# Altium PCB MZCAT_color_sensor.PcbDoc
Units mm, origin at the board's own origin, x right, y up, seen from the top; angles counter-clockwise.
Board outline 24 x 80.4 mm, 2 copper layers (Top Layer, Bottom Layer), stack 1.536 mm thick; 39 components, 29 nets, 101 pads, 29 vias.
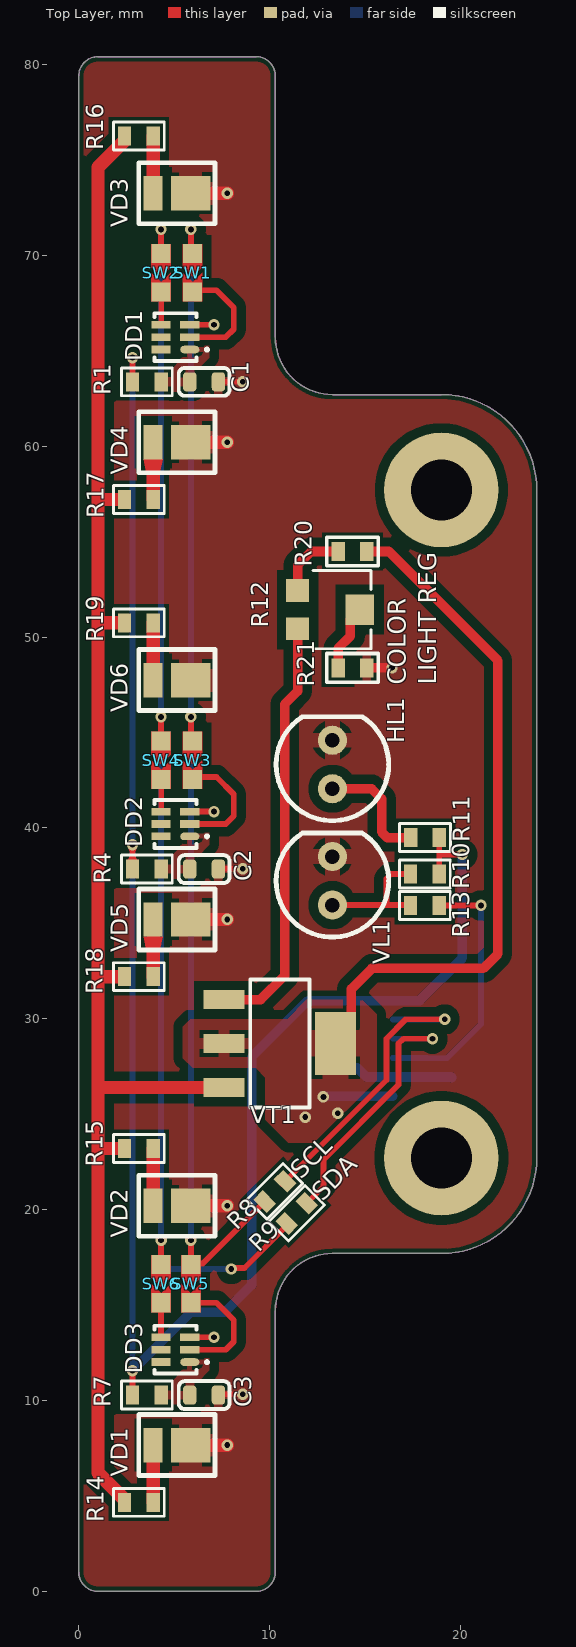
[diagram p0: Top Layer view]
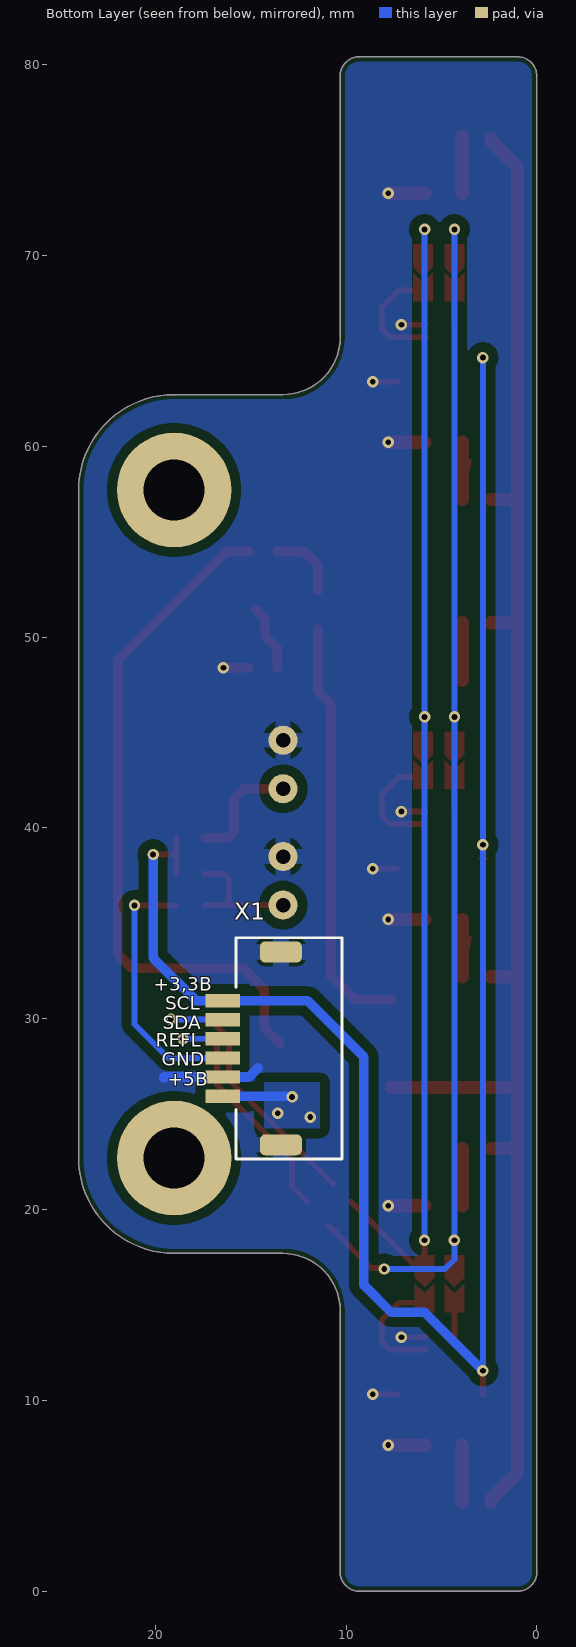
[diagram p1: Bottom Layer view, seen from below]
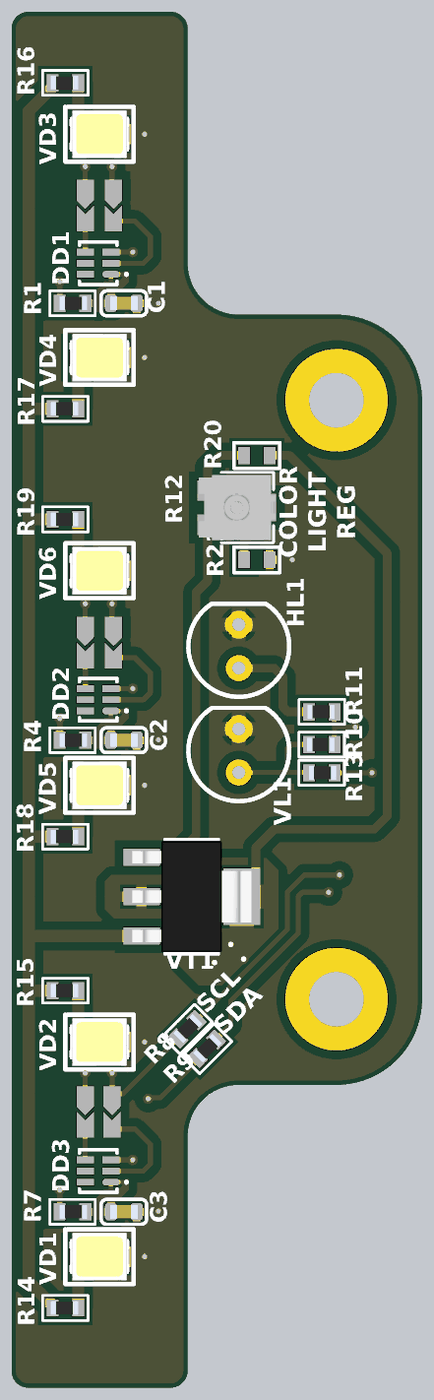
[diagram p2: 3D render of the assembled board from above, using the file's embedded part models]

## Layer stack, top to bottom
Top Solder: solder mask 0.0102, Solder Resist, Dk 3.5
Top Layer: signal copper 0.018
Core 1: core 1.5, FR4, Dk 4.6
Bottom Layer: signal copper 0.018
Bottom Solder: solder mask 0.0102, Solder Resist, Dk 3.5

## Board outline
1.006,0.006 9.305,0.006 ccw(c9.305,1.006) 10.305,1.006 10.305,14.706 cw(c13.305,14.706) 13.305,17.706 19.005,17.706 ccw(c19.005,22.706) 24.005,22.706 24.005,57.706 ccw(c19.005,57.706) 19.005,62.706 13.305,62.706 cw(c13.305,65.706) 10.305,65.706 10.305,79.406 ccw(c9.305,79.406) 9.305,80.406 1.006,80.406 ccw(c1.006,79.406) 0.006,79.406 0.006,1.006 ccw(c1.006,1.006)

## Design rules (kind name [scope] priority, off if disabled: settings)
AcuteAngle min_acute_angle [OnCopper] p1: minimum=3.50000000000000E+0001 checktracksonly=FALSE // Минимальный угол между примитивами топологии
BoardOutlineClearance board_outline_clearance_std [NOT (OnLayer('Bottom Overlay') OR OnLayer('Top Overlay'))] p1: gap=0.25 ignorepadtopadclearanceinfootprint=FALSE except(0: Arc-SplitContinuation Track-SplitContinuation SMDPad-SplitContinuation THPad-SplitContinuation Via-SplitContinuation Fill-SplitContinuation Poly-SplitContinuation Region-SplitContinuation Text-SplitContinuation) // Отступ элементов топологии от края фрезеруемой печатной платы
Clearance Clearance_keepout [OnTopLayer OR OnBottomLayer vs OnLayer('Keep-Out Layer')] p1: gap=0.125 ignorepadtopadclearanceinfootprint=FALSE except(0.2: Arc-Fill Arc-Poly Track-Fill Track-Poly SMDPad-SMDPad SMDPad-Fill SMDPad-Poly THPad-Fill THPad-Poly Via-Fill Via-Poly Fill-Fill Fill-Poly Poly-Poly Poly-Region Poly-Text; 0.25: Arc-Hole Track-Hole SMDPad-Hole THPad-Hole Via-Hole Fill-Hole Poly-Hole Region-Hole Text-Hole; 0.4: Arc-Track Track-Track)
Clearance TOP_BOT_GND [InPolygonClass('POLY')] p2: gap=0.5 ignorepadtopadclearanceinfootprint=FALSE
Clearance REF_GND [InPolygonClass('REF_GND')] p3: gap=0.5 ignorepadtopadclearanceinfootprint=FALSE
Clearance clearance_outer_18um_std [OnTopLayer OR OnBottomLayer] p4: gap=0.125 ignorepadtopadclearanceinfootprint=FALSE except(0.2: Arc-Fill Arc-Poly Track-Fill Track-Poly SMDPad-Fill SMDPad-Poly THPad-Fill THPad-Poly Via-Fill Via-Poly Fill-Fill Fill-Poly Poly-Poly Poly-Region Poly-Text; 0.25: Arc-Hole Track-Hole THPad-Hole Via-Hole Fill-Hole Poly-Hole Region-Hole Text-Hole) // Зазоры на внешних слоях
Clearance clearance_inner_18um_std [NOT (OnTopLayer Or OnBottomLayer)] p5: gap=0.125 ignorepadtopadclearanceinfootprint=FALSE except(0.2: Arc-Fill Arc-Poly Track-Fill Track-Poly SMDPad-SMDPad SMDPad-Fill SMDPad-Poly THPad-Fill THPad-Poly Via-Fill Via-Poly Fill-Fill Fill-Poly Poly-Poly Poly-Region Poly-Text; 0.25: Arc-Hole Track-Hole SMDPad-Hole THPad-Hole Via-Hole Fill-Hole Poly-Hole Region-Hole Text-Hole) // Зазоры на внутренних слоях
ComponentClearance [All] p1: gap=0 collisioncheckmode=3 verticalgap=0 showdistances=FALSE
DiffPairsRouting diff_pairs_routing [All] p1: maxlimit=0.127 minlimit=0.127 mostfreqgap=0.127 toplayer_minwidth=0.143 toplayer_maxwidth=0.143 toplayer_prefwidth=0.143 bottomlayer_minwidth=0.143 bottomlayer_maxwidth=0.143 bottomlayer_prefwidth=0.143 impedanceprofiledriven=TRUE maxuncoupledlength=12.7 // Правила трассировки дифференциальных пар
HoleSize min_hole_size_std [IsPad] p1: absolutevalues=TRUE maxlimit=5.9 minlimit=0.5 maxpercent=80.000 minpercent=20.000 // Диаметр межслойного переходного отверстия
HoleSize min_hole_size_via_std [IsVia] p2: absolutevalues=TRUE maxlimit=5.9 minlimit=0.3 maxpercent=80.000 minpercent=20.000 // Минимальный диаметр монтажного отверстия
HoleToHoleClearance hole_to_hole_clearance_std [All] p1: gap=0.2 allowstackedmicrovias=FALSE // Минимальное расстояние между краями двух отверстий
MinimumAnnularRing min_via_ar_std [All] p1: minimumring=0.15 // Поясок площадки переходного отверстия (Annular ring VIA)
MinimumAnnularRing min_pad_ar_std [All] p2: minimumring=0.2 // Поясок монтажной контактной площадки (Annular ring PAD)
MinimumSolderMaskSliver min_solder_mask_bridge_std [All] p1: minsoldermaskwidth=0 // Мнимальная ширина масочного мостика
PlaneClearance plane_clearance_18um_std [All] p1: clearance=0.2 // Отступ полигона (для слоя plane) от элементов топологии
PlaneConnect [All] p1: planeconnectstyle=Relief reliefexpansion=0.5 reliefentries=4 reliefconductorwidth=0.2 reliefairgap=0.2
PolygonConnect poly_connect_to_pad<=0.3 [(AsMM(PadXSize_AllLayers)<=0.301) or (AsMM(PadYSize_AllLayers)<=0.301)] p1: thpad.connectstyle=Relief thpad.reliefconductorwidth=0.2 thpad.reliefentries=4 thpad.polygonreliefangle="90 Angle" thpad.airgapwidth=0.2 smdpad.connectstyle=Relief smdpad.reliefconductorwidth=0.2 smdpad.reliefentries=4 smdpad.polygonreliefangle="90 Angle" smdpad.airgapwidth=0.2 via.connectstyle=Direct via.reliefconductorwidth=0.254 via.reliefentries=4 via.polygonreliefangle="90 Angle" via.airgapwidth=0.254 // Правила подключения полигонов для падов от 0,3мм и меньше
PolygonConnect poly_connect_to_pad<=0.4 [(AsMM(PadXSize_AllLayers)<=0.401) or (AsMM(PadYSize_AllLayers)<=0.401)] p2: thpad.connectstyle=Relief thpad.reliefconductorwidth=0.26 thpad.reliefentries=4 thpad.polygonreliefangle="90 Angle" thpad.airgapwidth=0.2 smdpad.connectstyle=Relief smdpad.reliefconductorwidth=0.26 smdpad.reliefentries=4 smdpad.polygonreliefangle="90 Angle" smdpad.airgapwidth=0.2 via.connectstyle=Direct via.reliefconductorwidth=0.254 via.reliefentries=4 via.polygonreliefangle="90 Angle" via.airgapwidth=0.254 // Правила подключения полигонов для падов от 0,4 и меньше
PolygonConnect poly_connect_to_pad<=0.6 [(AsMM(PadXSize_AllLayers)<=0.601) or (AsMM(PadYSize_AllLayers)<=0.601)] p3: thpad.connectstyle=Relief thpad.reliefconductorwidth=0.33 thpad.reliefentries=4 thpad.polygonreliefangle="90 Angle" thpad.airgapwidth=0.2 smdpad.connectstyle=Relief smdpad.reliefconductorwidth=0.33 smdpad.reliefentries=4 smdpad.polygonreliefangle="90 Angle" smdpad.airgapwidth=0.2 via.connectstyle=Direct via.reliefconductorwidth=0.254 via.reliefentries=4 via.polygonreliefangle="90 Angle" via.airgapwidth=0.254 // Правила подключения полигонов для падов от 0,6мм и меньше
PolygonConnect poly_connect_to_pad<=0.7 [(AsMM(PadXSize_AllLayers)<=0.701) or (AsMM(PadYSize_AllLayers)<=0.701)] p4: thpad.connectstyle=Relief thpad.reliefconductorwidth=0.46 thpad.reliefentries=4 thpad.polygonreliefangle="90 Angle" thpad.airgapwidth=0.2 smdpad.connectstyle=Relief smdpad.reliefconductorwidth=0.46 smdpad.reliefentries=4 smdpad.polygonreliefangle="90 Angle" smdpad.airgapwidth=0.2 via.connectstyle=Direct via.reliefconductorwidth=0.254 via.reliefentries=4 via.polygonreliefangle="90 Angle" via.airgapwidth=0.254 // Правила подключения полигонов для падов от 0,7мм и меньше
PolygonConnect poly_connect_to_pad<=0.8 [(AsMM(PadXSize_AllLayers)<=0.8)or(AsMM(PadYSize_AllLayers)<=0.8)] p5: thpad.connectstyle=Relief thpad.reliefconductorwidth=0.53 thpad.reliefentries=4 thpad.polygonreliefangle="90 Angle" thpad.airgapwidth=0.3 smdpad.connectstyle=Relief smdpad.reliefconductorwidth=0.53 smdpad.reliefentries=4 smdpad.polygonreliefangle="90 Angle" smdpad.airgapwidth=0.2 via.connectstyle=Direct via.reliefconductorwidth=0.254 via.reliefentries=4 via.polygonreliefangle="90 Angle" via.airgapwidth=0.254 // Правила подключения полигонов для падов от 0,8мм и меньше
PolygonConnect poly_connect_to_pad<=1 [(AsMM(PadXSize_AllLayers)<=1.01)or(AsMM(PadYSize_AllLayers)<=1.01)] p6: thpad.connectstyle=Relief thpad.reliefconductorwidth=0.6 thpad.reliefentries=4 thpad.polygonreliefangle="90 Angle" thpad.airgapwidth=0.3 smdpad.connectstyle=Relief smdpad.reliefconductorwidth=0.6 smdpad.reliefentries=4 smdpad.polygonreliefangle="90 Angle" smdpad.airgapwidth=0.2 via.connectstyle=Direct via.reliefconductorwidth=0.254 via.reliefentries=4 via.polygonreliefangle="90 Angle" via.airgapwidth=0.254 // Правила подключения полигонов для падов от 1мм и меньше
PolygonConnect poly_connect_to_pad<=1.3 [(AsMM(PadXSize_AllLayers)<=1.31)or(AsMM(PadYSize_AllLayers)<=1.31)] p7: thpad.connectstyle=Relief thpad.reliefconductorwidth=0.66 thpad.reliefentries=4 thpad.polygonreliefangle="90 Angle" thpad.airgapwidth=0.3 smdpad.connectstyle=Relief smdpad.reliefconductorwidth=0.86 smdpad.reliefentries=4 smdpad.polygonreliefangle="90 Angle" smdpad.airgapwidth=0.2 via.connectstyle=Direct via.reliefconductorwidth=0.254 via.reliefentries=4 via.polygonreliefangle="90 Angle" via.airgapwidth=0.254 // Правила подключения полигонов для падов от 1,3мм и меньше
PolygonConnect poly_connect_to_pad<=1.6 [(AsMM(PadXSize_AllLayers)<=1.61)or(AsMM(PadYSize_AllLayers)<=1.61)] p8: thpad.connectstyle=Relief thpad.reliefconductorwidth=0.8 thpad.reliefentries=4 thpad.polygonreliefangle="90 Angle" thpad.airgapwidth=0.3 smdpad.connectstyle=Relief smdpad.reliefconductorwidth=1 smdpad.reliefentries=4 smdpad.polygonreliefangle="90 Angle" smdpad.airgapwidth=0.2 via.connectstyle=Direct via.reliefconductorwidth=0.254 via.reliefentries=4 via.polygonreliefangle="90 Angle" via.airgapwidth=0.254 // Правила подключения полигонов для падов от 1,6мм и меньше
PolygonConnect poly_connect_to_pad<=1.8 [(AsMM(PadXSize_AllLayers)<=1.8)or(AsMM(PadYSize_AllLayers)<=1.8)] p9: thpad.connectstyle=Relief thpad.reliefconductorwidth=1 thpad.reliefentries=4 thpad.polygonreliefangle="90 Angle" thpad.airgapwidth=0.3 smdpad.connectstyle=Relief smdpad.reliefconductorwidth=1.2 smdpad.reliefentries=4 smdpad.polygonreliefangle="90 Angle" smdpad.airgapwidth=0.2 via.connectstyle=Direct via.reliefconductorwidth=0.254 via.reliefentries=4 via.polygonreliefangle="90 Angle" via.airgapwidth=0.254 // Правила подключения полигонов для падов от 1,8мм и меньше
PolygonConnect poly_connect_to_pad<=2 [(AsMM(PadXSize_AllLayers)<=2.01)or(AsMM(PadYSize_AllLayers)<=2.01)] p10: thpad.connectstyle=Relief thpad.reliefconductorwidth=1.1 thpad.reliefentries=4 thpad.polygonreliefangle="90 Angle" thpad.airgapwidth=0.3 smdpad.connectstyle=Relief smdpad.reliefconductorwidth=1.4 smdpad.reliefentries=4 smdpad.polygonreliefangle="90 Angle" smdpad.airgapwidth=0.2 via.connectstyle=Direct via.reliefconductorwidth=0.254 via.reliefentries=4 via.polygonreliefangle="90 Angle" via.airgapwidth=0.254 // Правила подключения полигонов для падов от 2мм и меньше
PolygonConnect poly_connect_to_pad<=2.3 [(AsMM(PadXSize_AllLayers)<=2.31)or(AsMM(PadYSize_AllLayers)<=2.31)] p11: thpad.connectstyle=Relief thpad.reliefconductorwidth=1.2 thpad.reliefentries=4 thpad.polygonreliefangle="90 Angle" thpad.airgapwidth=0.3 smdpad.connectstyle=Relief smdpad.reliefconductorwidth=1.4 smdpad.reliefentries=4 smdpad.polygonreliefangle="90 Angle" smdpad.airgapwidth=0.2 via.connectstyle=Direct via.reliefconductorwidth=0.254 via.reliefentries=4 via.polygonreliefangle="90 Angle" via.airgapwidth=0.254 // Правила подключения полигонов для падов от 2,3мм и меньше
PolygonConnect poly_connect_to_pad<=2.5 [(AsMM(PadXSize_AllLayers)<=2.51)or(AsMM(PadYSize_AllLayers)<=2.51)] p12: thpad.connectstyle=Relief thpad.reliefconductorwidth=1.2 thpad.reliefentries=4 thpad.polygonreliefangle="90 Angle" thpad.airgapwidth=0.3 smdpad.connectstyle=Relief smdpad.reliefconductorwidth=1.4 smdpad.reliefentries=4 smdpad.polygonreliefangle="90 Angle" smdpad.airgapwidth=0.2 via.connectstyle=Direct via.reliefconductorwidth=0.254 via.reliefentries=4 via.polygonreliefangle="90 Angle" via.airgapwidth=0.254 // Правила подключения полигонов для падов от 2,5мм и меньше
PolygonConnect poly_connect_to_pad<=2.7 [(AsMM(PadXSize_AllLayers)<=2.71)or(AsMM(PadYSize_AllLayers)<=2.71)] p13: thpad.connectstyle=Relief thpad.reliefconductorwidth=1.4 thpad.reliefentries=4 thpad.polygonreliefangle="90 Angle" thpad.airgapwidth=0.3 smdpad.connectstyle=Relief smdpad.reliefconductorwidth=1.6 smdpad.reliefentries=4 smdpad.polygonreliefangle="90 Angle" smdpad.airgapwidth=0.2 via.connectstyle=Direct via.reliefconductorwidth=0.254 via.reliefentries=4 via.polygonreliefangle="90 Angle" via.airgapwidth=0.254 // Правила подключения полигонов для падов от 2,7мм и меньше
PolygonConnect poly_connect_to_pad<=3 [(AsMM(PadXSize_AllLayers)<=3.01)or(AsMM(PadYSize_AllLayers)<=3.01)] p14: thpad.connectstyle=Relief thpad.reliefconductorwidth=1.6 thpad.reliefentries=4 thpad.polygonreliefangle="90 Angle" thpad.airgapwidth=0.3 smdpad.connectstyle=Relief smdpad.reliefconductorwidth=1.8 smdpad.reliefentries=4 smdpad.polygonreliefangle="90 Angle" smdpad.airgapwidth=0.2 via.connectstyle=Direct via.reliefconductorwidth=0.254 via.reliefentries=4 via.polygonreliefangle="90 Angle" via.airgapwidth=0.254 // Правила подключения полигонов для падов от 3мм и меньше
PolygonConnect poly_connect_to_pad<=7 [(AsMM(PadXSize_AllLayers)<7.01)or(AsMM(PadYSize_AllLayers)<=7.01)] p15: thpad.connectstyle=Relief thpad.reliefconductorwidth=2 thpad.reliefentries=4 thpad.polygonreliefangle="90 Angle" thpad.airgapwidth=0.4 smdpad.connectstyle=Relief smdpad.reliefconductorwidth=2 smdpad.reliefentries=4 smdpad.polygonreliefangle="90 Angle" smdpad.airgapwidth=0.3 via.connectstyle=Direct via.reliefconductorwidth=0.254 via.reliefentries=4 via.polygonreliefangle="90 Angle" via.airgapwidth=0.254 // Правила подключения полигонов для падов от 7мм и меньше
PolygonConnect poly_connect_to_pad [All] p16: thpad.connectstyle=Relief thpad.reliefconductorwidth=0.25 thpad.reliefentries=4 thpad.polygonreliefangle="90 Angle" thpad.airgapwidth=0.2 smdpad.connectstyle=Relief smdpad.reliefconductorwidth=0.25 smdpad.reliefentries=4 smdpad.polygonreliefangle="90 Angle" smdpad.airgapwidth=0.2 via.connectstyle=Direct via.reliefconductorwidth=0.25 via.reliefentries=4 via.polygonreliefangle="90 Angle" via.airgapwidth=0.2 // Правила подключения полигонов общие
RoutingCorners [All] p1 off: cornerstyle=45-Degree minsetback=2.5 maxsetback=2.5
RoutingVias [All] p1: holewidth=0.3 width=0.6 viastyle="Through Hole" minholewidth=0.3 minwidth=0.6 maxholewidth=5.9 maxwidth=6.4
SilkToSilkClearance silk_to_silk_clearance_std [All] p1 off: silktosilkclearance=0.15 // Отступ текста шелкографии от других примитивов шелкографии
SilkToSolderMaskClearance silk_to_solder_mask_clearance_std [IsPad] p1 off: minsilkscreentomaskgap=0.15 clearancetoexposedcopper=FALSE // Минимальное расстояние между элементами шелкографии и вскрытой медью
SolderMaskExpansion solder_mask_expansion_std [All] p1: expansion=0.05 istentingtop=FALSE // Припуск паяльной масски
UnRoutedNet [All] p1: checkbadconnections=TRUE
Width width_18um_std [All] p1: maxlimit=10 minlimit=0.125 preferedwidth=0.15 checkconnectedcopper=TRUE // Ширина проводников (общая)
19 further rules are at their usual default settings.

## Classes and differential pairs
polygon class POLY: BOT_GND TOP_GND

## Components (designator, comment, footprint, x,y, rotation, side; value= is the part's Value field where it differs from the comment)
DD1 "TCS3472" TCS3472 5.075,65.714 r180 top
DD2 "TCS3472" TCS3472 5.075,40.206 r180 top
DD3 "TCS3472" TCS3472 5.075,12.666 r180 top
HL1 "" "LED 5mm" 13.296,43.324 r90 top
R1 "100" R0603#1 3.575,63.373 r180 top
R4 "100" R0603#1 3.575,37.846 r180 top
R7 "100" R0603#1 3.575,10.287 r180 top
R8 "100" R0603#1 10.287,20.955 r225 top
R9 "100" R0603#1 11.43,19.812 r225 top
R10 "10к" R0603#1 18.142,37.584 r0 top
R11 "1к" R0603#1 18.149,39.497 r0 top
R12 "10к" "35W potentiometer" 13.076,51.435 r270 top
R13 "100" R0603#1 18.142,35.933 r180 top
R14 "100" R0603#1 3.155,4.666 r0 top
R15 "100" R0603#1 3.155,23.206 r0 top
R16 "100" R0603#1 3.155,76.254 r0 top
R17 "100" R0603#1 3.155,57.206 r0 top
R18 "100" R0603#1 3.155,32.206 r0 top
R19 "100" R0603#1 3.155,50.746 r0 top
R20 "1к" R0603#2 14.351,54.483 r0 top
R21 "10к" R0603#2 14.351,48.387 r180 top
SW1 "" JUMPER_SOLDERED_3x1 5.969,69.088 r270 top
SW2 "" JUMPER_SOLDERED_3x1 4.318,69.088 r270 top
SW3 "" JUMPER_SOLDERED_3x1 5.969,43.545 r270 top
SW4 "" JUMPER_SOLDERED_3x1 4.318,43.545 r270 top
SW5 "" JUMPER_SOLDERED_3x1 5.887,16.125 r270 top
SW6 "" JUMPER_SOLDERED_3x1 4.318,16.125 r270 top
VD1 "белый светодиод" "2835 led" 5.15,7.666 r0 top
VD2 "белый светодиод" "2835 led" 5.15,20.206 r0 top
VD3 "белый светодиод" "2835 led" 5.15,73.254 r0 top
VD4 "белый светодиод" "2835 led" 5.15,60.206 r0 top
VD5 "белый светодиод" "2835 led" 5.15,35.206 r0 top
VD6 "белый светодиод" "2835 led" 5.15,47.746 r0 top
VL1 "" "LED 5mm" 13.296,37.228 r90 top
VT1 "" SOT-223 10.541,28.702 r0 top
X1 "640456-6" "LCP 6 pin" 15.064,28.45 r270 bottom
С1 "0,1мк" C0603 6.575,63.373 r180 top
С2 "0,1мк" C0603 6.575,37.846 r180 top
С3 "0,1мк" C0603 6.575,10.287 r180 top

## Footprints (in the part's own frame and the unit in brackets; to place one, negate y for a bottom-side part, rotate by r counter-clockwise, add the part's x,y. Pads: shape width x height; smd on the part's side, far side on the other; paste and mask are expansions set on the pad)
"35W potentiometer" [mm]
  rect 1.2x1.2 smd: 1(-1,-1.6) 3(1,-1.6)
  rect 1.6x1.5 smd: 2(0,1.65)
  silkscreen extent -2.05,-0.8 2.05,2.25, body extent -1.9,-2.13 1.9,2.37, height 1.01
"2835 led" [mm]
  rect 0.99x1.8 smd: 1(-1.245,0)
  rect 2.06x1.8 smd: 2(0.73,0)
  silkscreen extent -2,-1.6 2,1.6, body extent -1.75,-1.4 1.75,1.4, height 0.7
C0603 [mm]
  rrect50% 0.7x1 smd: 1(-0.75,0) 2(0.75,0)
  Top Layer pour cut-out: -0.4,0.5 0.4,0.5 0.4,-0.5 -0.4,-0.5
  silkscreen extent -1.33,-0.73 1.33,0.73, body extent -0.8,-0.4 0.8,0.4, height 0.9
JUMPER_SOLDERED_3x1 [mm]
  rect 1x1 smd: 1(-1,0) 2(1,0)
  Top Layer region: 1.5,0.5 0,0.5 0.5,0 0,-0.5 1.5,-0.5
  Top Layer region: -1.5,0.5 -0.3,0.5 0.2,0 -0.3,-0.5 -1.5,-0.5
  body extent -1.5,-0.5 1.5,0.5, height 0.05
"LCP 6 pin" [mm] "FFC мама 6 контактов"
  rrect50% 1.1x2.2 smd: 0(-5.05,1.65) 0(5.05,1.65)
  rect 0.7x1.8 smd: 1(-2.5,-1.4) 2(-1.5,-1.4) 3(-0.5,-1.4) 4(0.5,-1.4) 5(1.5,-1.4) 6(2.5,-1.4)
  silkscreen extent -5.8,-0.7 5.8,4.85, body extent -5.57,-1.25 5.58,4.6, height 1.54
"LED 5mm" [mil]
  round 60 hole 30: 1(-50,0) 2(50,0)
  silkscreen extent -116,-116 98,116, body extent -100,-100 100,100, height 339
R0603#1 [mm]
  rect 0.7x1 smd: 1(-0.75,0) 2(0.75,0)
  Top Layer pour cut-out: -0.4,0.5 0.4,0.5 0.4,-0.5 -0.4,-0.5
  silkscreen extent -1.33,-0.73 1.33,0.73, body extent -0.85,-0.4 0.75,0.4, height 0.5
R0603#2 [mm]
  rect 0.7x1 smd: 1(-0.75,0) 2(0.75,0)
  silkscreen extent -1.35,-0.75 1.35,0.75, body extent -0.8,-0.43 0.8,0.43, height 0.45
SOT-223 [mm] "MC33269"
  rect 2.15x1 smd: 1(-2.925,2.3) 2(-2.925,0) 3(-2.925,-2.3)
  rect 2.15x3.3 smd: 4(2.925,0)
  silkscreen extent -1.55,-3.35 1.55,3.35, body extent -3.48,-3.25 3.48,3.25, height 1.65
TCS3472 [mm]
  oval 1x0.4 smd: 1(-0.75,0.65)
  rect 1x0.4 smd: 2(-0.75,0) 3(-0.75,-0.65) 4(0.75,0.65) 5(0.75,0) 6(0.75,-0.65)
  silkscreen extent -1.7,-1.25 1.1,1.25

## Part data
HL1: library part "ИК светодиод", "инфракрасный светодиод"
R1 R4 R7 R8 R9 R10 R11 R13 R14 R15 R16 R17 R18 R19 R20 R21: library part "Резистор 0.05Вт", "Резистор 0,05Вт"
R12: library part "потенциометр SMD"
SW1 SW2 SW3 SW4 SW5 SW6: library part jumper, "Запаиваемая перемычка"
VD1 VD2 VD3 VD4 VD5 VD6: library part "SMD светодиод", "Светодтод SMD", Name="белый светодиод"
VL1: library part фототранзистор
VT1: library part PBSS4540Z, "Биполярный транзистор, NPN, 40 В, 5 А, 2 Вт"
X1: library part Header_6, "Разъем - 6 конт. мама", Contact_1=VCC, Contact_2=SCL, Contact_3=SDA, Contact_4=REFL, Contact_5=GND, Contact_6=+5В, Contact_7=TP, Name=640456-6
С1 С2 С3: library part "Кер. конденсатор"
DD1 DD2 DD3: Name=TCS3472

## Free pads (board coordinates)
  round 6 hole 3.2: 0(19.005,22.706) 0(19.005,57.706)

## Via types
v1: diameter 0.6, hole 0.3, Top Layer to Bottom Layer, tented both sides, 29 vias

## Nets (pads, with @x,y where several pads share a name; then routed paths per layer and width w, separated by ;. In a path a pad name is that pad's centre, name@x,y a point inside that pad or via, vN(x,y) a via of type N, cw(c..) or ccw(c..) an arc to the next point about the centre after c; other vN are vias at no path point)
+3,3В: R1.2 R4.2 R7.2 R10.2 R11.2 X1.1 | length 98.7
  Top Layer w0.3: R7.2 v1(2.825,11.557) ; R4.2 v1(2.825,39.116) ; R1.2 v1(2.825,64.643) ; R10.2 18.896,37.587 18.896,38.608 ; R11.2 18.896,39.493 18.896,38.608 ; v1(20.112,38.608) 18.896,38.608
  Bottom Layer w0.3: v1(2.825,11.557) v1(2.825,39.116) v1(2.825,64.643)
  Bottom Layer w0.5: v1(2.825,11.557) 2.825,11.563 5.887,14.625 7.64,14.625 9.066,16.051 9.066,27.989 12.027,30.95 X1.1 17.869,30.95 20.112,33.193 v1(20.112,38.608)
+5В: R20.2 VT1.2 VT1.4 X1.6 | length 39.9
  Top Layer w0.5: VT1.4 14.291,29.527 14.291,31.563 15.367,32.639 21.209,32.639 21.971,33.401 21.971,48.768 16.256,54.483 R20.2
  Bottom Layer w0.5: v1(12.827,25.908) 12.854,25.908 12.896,25.95 X1.6
  other v1: 11.874,24.85 13.574,25.055
GND: DD1.3 DD2.3 DD3.3 HL1.2 R21.1 VD1.2 VD2.2 VD3.2 VD4.2 VD5.2 VD6.2 VL1.2 X1.0 X1.5 С1.1 С2.1 С3.1 | length 23.6
  Top Layer w0.3: DD3.3 v1(7.095,13.316) ; DD2.3 v1(7.095,40.856) ; DD1.3 v1(7.095,66.364) ; С3.1@7.325,10.325 v1(8.595,10.325) ; С2.1@7.325,37.865 v1(8.595,37.865) ; С1.1 v1(8.595,63.373)
  Top Layer w0.5: R21.1 v1(16.421,48.387)
  Top Layer w0.7: VD1.2 v1(7.785,7.666) ; VD2.2 v1(7.785,20.206) ; VD5.2 v1(7.785,35.206) ; VD4.2 v1(7.785,60.206) ; VD3.2 v1(7.785,73.254)
  Bottom Layer w0.5: 14.605,27.432 15.087,26.95 X1.5 19.532,26.95 19.558,26.924
I_REG: R12.3 VT1.1 | length 22.2
  Top Layer w0.5: VT1.1 9.539,31.002 10.795,32.258 10.795,46.482 11.476,47.163 R12.3
NetDD1_1: DD1.1 R1.1 С1.2
NetDD1_2: DD1.2 SW1.2 | length 6.2
  Top Layer w0.3: DD1.2 7.713,65.714 8.128,66.129 8.128,67.272 7.227,68.173 SW1.2@5.887,68.173
NetDD1_6: DD1.6 SW2.2 | length 1.7
  Top Layer w0.3: SW2.2 4.325,68.088 DD1.6
NetDD2_1: DD2.1 R4.1 С2.2
NetDD2_2: DD2.2 SW3.2 | length 6.2
  Top Layer w0.3: DD2.2 7.713,40.206 8.128,40.621 8.128,41.764 7.227,42.665 SW3.2@5.887,42.665
NetDD2_6: DD2.6 SW4.2 | length 1.7
  Top Layer w0.3: DD2.6@4.318,40.863 DD2.6 SW4.2@4.325,42.58
NetDD3_1: DD3.1 R7.1 С3.2
NetDD3_2: DD3.2 SW5.2 | length 6.2
  Top Layer w0.3: DD3.2 7.713,12.666 8.128,13.081 8.128,14.224 7.227,15.125 SW5.2
NetDD3_6: DD3.6 SW6.2 | length 1.8
  Top Layer w0.3: SW6.2 4.318,13.323 DD3.6
NetHL1_1: HL1.1 R11.1 | length 6.2
  Top Layer w0.5: HL1.1 15.35,42.054 15.875,41.529 15.875,39.79 16.168,39.497 R11.1
NetR12_1: R12.1 R20.1 | length 3.8
  Top Layer w0.5: R12.1 11.476,53.767 12.192,54.483 R20.1
NetR12_2: R12.2 R21.2 | length 3.5
  Top Layer w0.5: R21.2 13.601,49.415 14.226,50.04 14.226,50.935 R12.2
NetR14_1: R14.1 R15.1 R16.1 R17.1 R18.1 R19.1 VT1.3 | length 84.7
  Top Layer w0.7: 1.197,50.746 R19.1 ; R14.1 2.405,4.816 1.016,6.205 1.016,23.114 ; R15.1 1.108,23.206 1.016,23.114 ; R18.1 1.091,32.206 1.016,32.131 ; R17.1 1.087,57.206 1.016,57.277 ; R16.1@2.405,76.104 2.405,76 1.016,74.611 1.016,57.277 ; VT1.3 1.129,26.402 1.016,26.289 ; 1.016,23.114 1.016,26.289 ; 1.016,26.289 1.016,32.131 ; 1.016,32.131 1.016,50.546 1.016,57.277
NetR14_2: R14.2 VD1.1 | length 3
  Top Layer w0.7: R14.2 VD1.1
NetR15_2: R15.2 VD2.1 | length 3
  Top Layer w0.7: VD2.1 R15.2
NetR16_2: R16.2 VD3.1 | length 3
  Top Layer w0.7: VD3.1 R16.2
NetR17_2: R17.2 VD4.1 | length 3
  Top Layer w0.7: R17.2 VD4.1
NetR18_2: R18.2 VD5.1 | length 3
  Top Layer w0.7: R18.2 VD5.1
NetR19_2: R19.2 VD6.1 | length 3
  Top Layer w0.7: VD6.1 R19.2
REFLECT: R10.1 R13.2 VL1.1 | length 6.9
  Top Layer w0.3: VL1.1 16.129,35.958 ; R13.2 17.367,35.958 16.129,35.958 ; R10.1 16.375,37.584 16.129,37.338 16.129,35.958
REFLECT_CN: R13.1 X1.4 | length 13.8
  Top Layer w0.3: R13.1 18.9,35.941 v1(21.082,35.941)
  Bottom Layer w0.3: X1.4 18.251,27.95 18.264,27.937 19.301,27.937 21.082,29.718 v1(21.082,35.941)
SCL: R8.2 SW1.1 SW3.1 SW5.1 | length 62
  Top Layer w0.3: SW3.1@5.883,44.545 v1(5.883,45.815) ; SW1.1@5.883,70.088 v1(5.883,71.358) ; v1(5.887,18.395) SW5.1 5.937,17.175 6.507,17.175 R8.2
  Bottom Layer w0.3: v1(5.883,71.358) 5.885,71.356 5.885,18.397 v1(5.887,18.395)
SCL_CN: R8.1 X1.2 | length 16.1
  Top Layer w0.3: R8.1@10.678,21.346 16.129,26.797 16.129,28.956 17.145,29.972 v1(19.177,29.972)
  Bottom Layer w0.3: X1.2 16.475,29.961 19.166,29.961 v1(19.177,29.972)
SDA: R9.2 SW2.1 SW4.1 SW6.1 | length 65.5
  Top Layer w0.3: SW6.1 4.318,18.391 v1(4.322,18.395) ; SW4.1 v1(4.318,45.815) ; SW2.1 v1(4.318,71.358) ; v1(8.001,16.891) 8.058,16.948 8.693,16.948 R9.2@10.926,19.181
  Bottom Layer w0.3: v1(4.318,71.358) 4.32,71.356 4.32,18.397 v1(4.322,18.395) 4.322,17.395 4.826,16.891 v1(8.001,16.891)
SDA_CN: R9.1 X1.3 | length 14.2
  Top Layer w0.3: R9.1@12.052,20.434 12.827,21.209 12.827,22.606 16.764,26.543 16.764,28.702 17.018,28.956 v1(18.542,28.956)
  Bottom Layer w0.3: X1.3 16.467,28.953 18.539,28.953 v1(18.542,28.956)
pads on no net: DD1.4 DD1.5 DD2.4 DD2.5 DD3.4 DD3.5

## Polygon pours and split planes (outlines as drawn)
GND on Top Layer "TOP_GND" (solid, remove dead copper, pour order 17): 1,0.101 cw(c1,1.101) 0,1.101 0,79.501 cw(c1,79.501) 1,80.501 9.299,80.501 cw(c9.299,79.501) 10.299,79.501 10.299,65.801 ccw(c13.299,65.801) 13.299,62.801 18.999,62.801 cw(c18.999,57.801) 23.999,57.801 23.999,22.801 cw(c18.999,22.801) 18.999,17.801 13.299,17.801 ccw(c13.299,14.801) 10.299,14.801 10.299,1.101 cw(c9.299,1.101) 9.299,0.101
+5В on Top Layer "+5В_L01_P016" (solid, pour order 16): 14.097,23.495 15.621,25.019 15.621,30.226 14.859,30.988 11.938,30.988 10.922,29.972 5.842,29.972 5.461,29.591 5.461,27.94 5.969,27.432 9.271,27.432 9.779,26.924 9.779,24.701 10.986,23.495
NetDD1_1 on Top Layer "NETDD1_1_L01_P013" (solid, pour order 13): 5.334,65.259 5.334,64.497 4.691,63.854 3.975,63.854 3.975,62.854 6.175,62.854 6.175,63.941 6.858,64.624 6.858,65.259
NetDD3_1 on Top Layer "NETDD3_1_L01_P012" (solid, pour order 12): 5.334,12.211 5.334,11.449 4.691,10.806 3.975,10.806 3.975,9.806 6.175,9.806 6.175,10.893 6.858,11.576 6.858,12.211
NetDD2_1 on Top Layer "NETDD2_1_L01_P011" (solid, pour order 11): 5.334,39.751 5.334,38.989 4.691,38.346 3.975,38.346 3.975,37.346 6.175,37.346 6.175,38.433 6.858,39.116 6.858,39.751
GND on Bottom Layer "BOT_GND" (solid, remove dead copper, pour order 18): 1.006,0.006 cw(c1.006,1.006) 0.006,1.006 0.006,79.406 cw(c1.006,79.406) 1.006,80.406 9.305,80.406 cw(c9.305,79.406) 10.305,79.406 10.305,65.706 ccw(c13.305,65.706) 13.305,62.706 19.005,62.706 cw(c19.005,57.706) 24.005,57.706 24.005,22.706 cw(c19.005,22.706) 19.005,17.706 13.305,17.706 ccw(c13.305,14.706) 10.305,14.706 10.305,1.006 cw(c9.305,1.006) 9.305,0.006
+5В on Bottom Layer "+5В_L02_P015" (solid, pour order 15): 11.367,26.67 11.367,24.257 14.287,24.257 14.287,26.67

## Keep-outs
Keep-Out Layer:
  the board outline again, w0.013

## Other copper
Bottom Layer:
  text "0" at 19.005,22.706 h1.52

## Silkscreen, mask and mechanical layers (free items; w line width, h text height)
Top Overlay:
  text "COLOR  / LIGHT REG" at 19.065,47.498 h1.6 r90
  text "SCL" at 11.867,21.325 h1.6 r45
  text "SDA" at 13.01,20.182 h1.6 r45
Bottom Overlay:
  text "+3,3В" at 20.066,31.229 h1.2
  text "SCL" at 19.484,30.231 h1.2
  text "SDA" at 19.604,29.215 h1.2
  text "REFL" at 19.976,28.306 h1.2
  text "GND" at 19.649,27.306 h1.2
  text "+5В" at 19.344,26.253 h1.2
Mechanical 1:
  circle w0.013: c19.005,57.706 r1.6
  circle w0.013: c19.005,22.706 r1.6
  lines w0.013: 0.006,1.006 ccw(c1.006,1.006) 1.006,0.006 ; 0.006,1.006 ccw(c1.006,1.006) 1.006,0.006 ; 0.006,1.006 0.006,79.406 ; 0.006,1.006 0.006,79.406 ; 0.006,79.406 cw(c1.006,79.406) 1.006,80.406 ; 0.006,79.406 cw(c1.006,79.406) 1.006,80.406 ; 1.006,0.006 9.305,0.006 ; 1.006,0.006 9.305,0.006 ; 1.006,80.406 9.305,80.406 ; 1.006,80.406 9.305,80.406 ; 9.305,0.006 ccw(c9.305,1.006) 10.305,1.006 ; 9.305,0.006 ccw(c9.305,1.006) 10.305,1.006 ; 9.305,80.406 cw(c9.305,79.406) 10.305,79.406 ; 9.305,80.406 cw(c9.305,79.406) 10.305,79.406 ; 10.305,1.006 10.305,14.706 ; 10.305,1.006 10.305,14.706 ; 10.305,14.706 cw(c13.305,14.706) 13.305,17.706 ; 10.305,14.706 cw(c13.305,14.706) 13.305,17.706 ; 10.305,65.706 ccw(c13.305,65.706) 13.305,62.706 ; 10.305,65.706 ccw(c13.305,65.706) 13.305,62.706 ; 10.305,65.706 10.305,79.406 ; 10.305,65.706 10.305,79.406 ; 13.305,17.706 19.005,17.706 ; 13.305,17.706 19.005,17.706 ; 13.305,62.706 19.005,62.706 ; 13.305,62.706 19.005,62.706 ; 19.005,17.706 ccw(c19.005,22.706) 24.005,22.706 ; 19.005,17.706 ccw(c19.005,22.706) 24.005,22.706 ; 19.005,62.706 cw(c19.005,57.706) 24.005,57.706 ; 19.005,62.706 cw(c19.005,57.706) 24.005,57.706 ; 24.005,22.706 24.005,57.706 ; 24.005,22.706 24.005,57.706